# Altium PCB Placa Pot mosfet planar V3.PcbDoc (part 2 of 2)
Units mm, origin at the board's own origin, x right, y up, seen from the top; angles counter-clockwise.
Board outline 160 x 100 mm, 4 copper layers (TopLayer, GND, Power, BottomLayer), stack 1.582 mm thick; 144 components, 68 nets, 657 pads, 79 vias.
Unrouted connection lines stored in the file: 1.
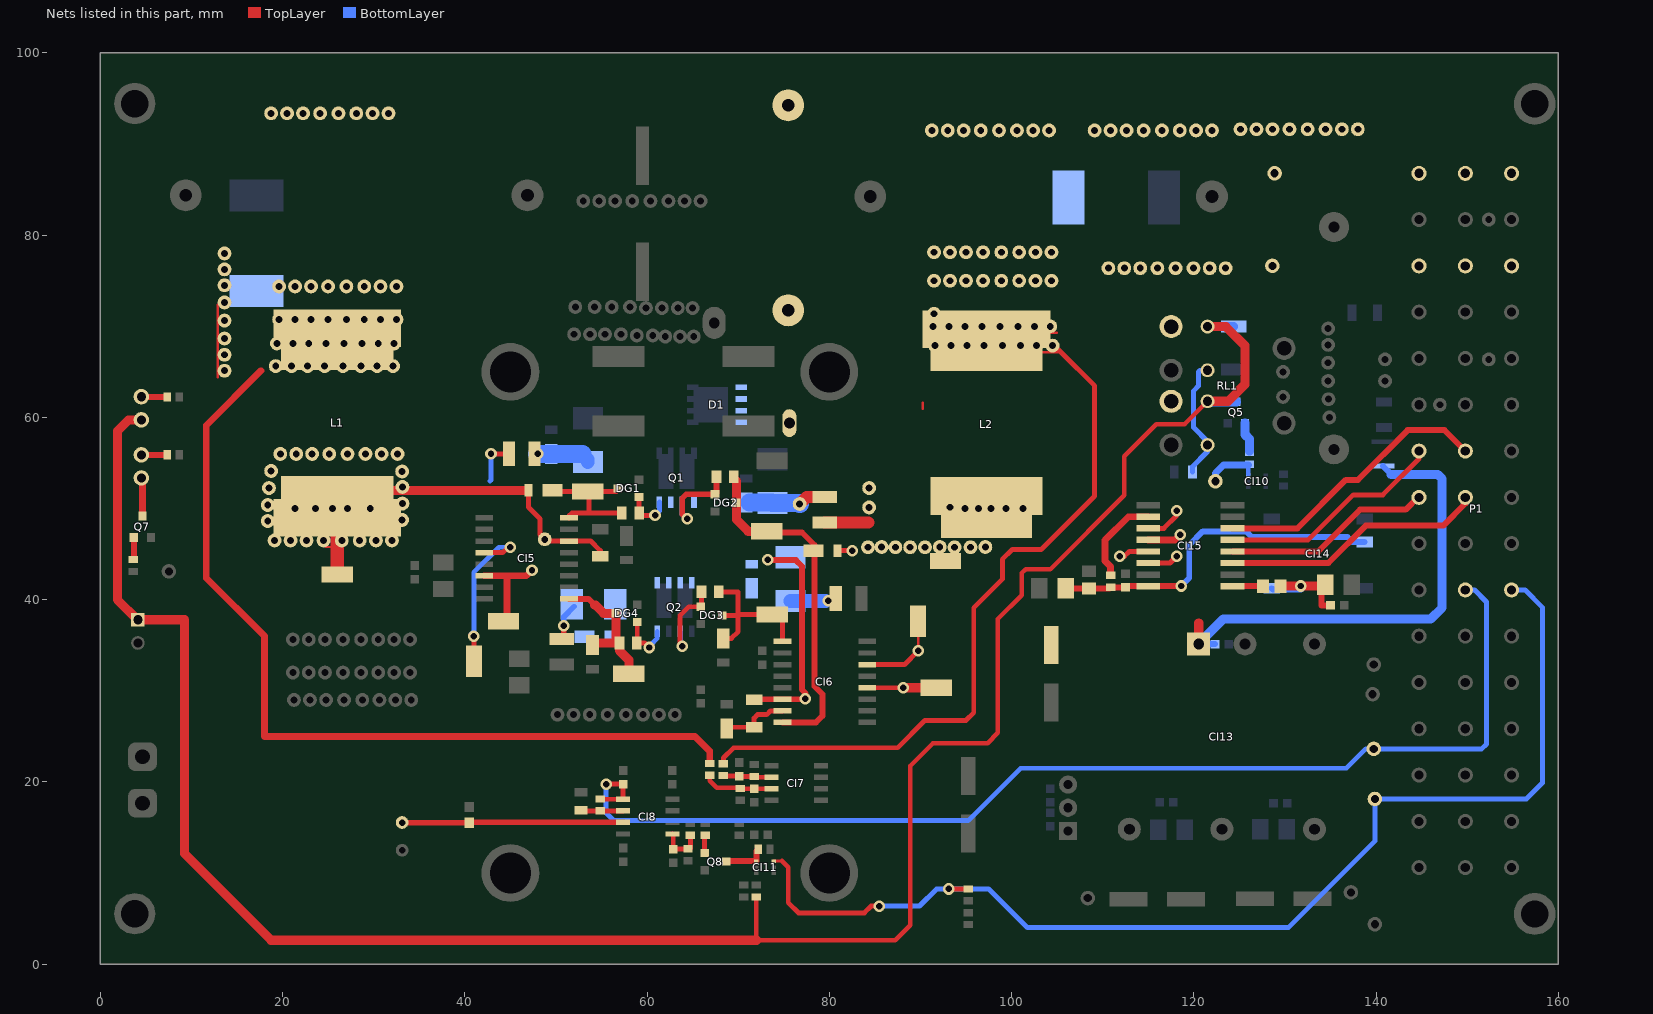
[diagram p4: the nets of this part, all layers, seen from the top]

## Via types
v1: diameter 1.27, hole 0.711, TopLayer to BottomLayer, 79 vias

## Nets (pads, with @x,y where several pads share a name; then routed paths per layer and width w, separated by ;. In a path a pad name is that pad's centre, name@x,y a point inside that pad or via, vN(x,y) a via of type N, cw(c..) or ccw(c..) an arc to the next point about the centre after c; other vN are vias at no path point) (continued)
NetC12_2: C12.2 CI5.6 CQ1.1 DGZ1.1 DQ4.1 L1.1 pad.3 pad.42 pad.43 pad.44 pad.45 pad.46 pad.47 pad.48 pad.49 pad.50 pad.51 pad.52 pad.53 pad.54 pad.55@19.75,56 pad.55@19.125,46.5 pad.56@20.875,46.5 pad.56@21.5,56 pad.57@22.625,46.5 pad.57@23.25,56 pad.58@24.5,46.5 pad.58@25.125,56 pad.59@26.5,46.5 pad.59@27.125,56 pad.60@28.465,46.5 pad.60@29.09,56 pad.61@30.25,46.5 pad.61@30.875,56 pad.62@32,46.5 pad.62@32.625,56 PTS1.1 Q1.3 Q2.5 Q2.6 RQ4.2 | length 46.8
  TopLayer w0.254: 24.75,45.776 26,45.776
  TopLayer w0.54: L1.1@26,51.5 L1.1@26.5,52 ; v1(42.875,56) CQ1.1@44.85,56 ; DGZ1.1@46.985,51.89 46.985,50.14 48.25,48.875 48.25,47.15 pad.3@48.775,46.625 48.965,46.435 CI5.6@51.425,46.435 53.815,46.435 54.875,45.375 C12.2@54.875,44.75
  TopLayer w1: L1.1@26.5,52 DGZ1.1@46.875,52
  TopLayer w1.5: PTS1.1@26,42.75 26,45.776 L1.1@26,48.988
  BottomLayer w0.54: 42.75,53 42.875,53.125 v1(42.875,56)
NetC14_1: C14.1 CI6.6 CQ2.1 DGZ2.1 DQ3.1 L2.1 pad.24 pad.25 pad.27 pad.28 pad.29 pad.30 pad.31 pad.32 pad.33 pad.34 pad.35 pad.36 pad.37 pad.38 pad.39 pad.40 pad.41 PTS2.1 Q1.1 Q2.7 Q2.8 RQ3.2 | length 31.5
  TopLayer w0.54: C14.1@71.75,29 C14.1@71.815,29.065 ; DGZ2.1@80.89,45.375 v1(82.5,45.375) ; 84.275,48.475 84.5,48.25
  TopLayer w0.64: C14.1@71.815,29.065 CI6.6@74.875,29.065 77.525,29.065 77.42,29.17 77.42,29.705 77,30.125 77,43.665 76.33,44.335 v1@73.059,44.335
  TopLayer w1.35: CQ2.1@79.5,48.475 84.275,48.475
  other v1: 77.375,29.125 73.25,44.375
NetC14_2: C14.2 CI6.7 D7.2 | length 7.5
  TopLayer w0.54: D7.2@68.75,25.875 68.875,26 C14.2@71.75,26 71.75,27 72.125,27.375 73.125,27.375 73.545,27.795 CI6.7@74.875,27.795
NetC22_2: C22.2 CI7.2 R24.2 R26.1 | length 5.3
  TopLayer w0.54: R24.2@68.375,20.625 C22.2@70.125,20.625 70.375,20.625 70.4,20.6 R26.1@71.75,20.6 71.84,20.51 CI7.2@73.675,20.51
NetC24_1: C24.1 CI7.3 R28.2 R30.1 | length 7.8
  TopLayer w0.5: R28.2@66.875,20.725 66.875,20.125 67.645,19.355 70.42,19.355 70.525,19.25 C24.1@71.75,19.25 71.76,19.24 CI7.3@73.675,19.24
NetC25_1: C25.1 CI8.5 R31.2 R32.1 | length 4.8
  TopLayer w0.54: CI8.5@62.775,14.284 62.875,14.184 C25.1@62.875,12.625 62.9,12.65 R32.1@64.5,12.65 ; R32.1@64.75,12.668 R31.2@64.75,14.143
NetC35_1: C35.1 CI8.1 P1.C20 PT17.1 R33.1 | length 128.3
  TopLayer w0.54: R33.1@54.875,18.125 54.906,18.094 CI8.1@57.375,18.094 C35.1@57.375,19.75 v1(55.5,19.75) ; P1.C20@149.799,40.924 P1.C20@149.799,41.071
  BottomLayer w0.54: v1(55.5,19.75) 55.5,16.625 56.375,15.75 84.888,15.75 84.918,15.78 86.082,15.78 86.112,15.75 95.25,15.75 101,21.5 136.75,21.5 138.875,23.625 PT17.1@139.75,23.625 151.603,23.625 152.125,24.147 152.125,39.75 150.804,41.071 P1.C20@149.799,41.071
NetC38_1: C38.1 C39.1 CI13.1 L3.2 | length 53.5
  TopLayer w1: CI13.1@120.545,35.125 120.545,37.42
  BottomLayer w0.65: CI13.1@120.545,35.125 C38.1@122.335,35.125 ; L3.2@140.75,54.675 141.675,53.75
  BottomLayer w1: CI13.1@120.625,35.25 123.25,37.875 146,37.875 147.25,39.125 147.25,53.25 146.75,53.75 141.675,53.75
NetC48_1: C48.1 C49.1 CI14.2 CI15.16 L4.2 R8.1 | length 38
  TopLayer w0.65: C49.1@105.95,41.225 L4.2@108.5,41.225 110.725,41.225 R8.1@110.875,41.375 110.895,41.355 C48.1@112.5,41.355 112.625,41.48 CI15.16@115,41.48 115.02,41.5 v1(118.625,41.5)
  BottomLayer w0.65: v1(118.625,41.5) 119.5,42.375 119.5,46 121,47.5 125.75,47.5 126.375,46.875 136.875,46.875 137.42,46.33 CI14.2@138.75,46.33
NetC50_1: C50.1 C51.1 CI14.5 L5.1 | length 12.2
  TopLayer w0.65: C51.1@134.465,41.48 134,41.015 134,39.375 C50.1@135,39.375
  TopLayer w1: L5.1@129.5,41.48 134.425,41.48 C51.1@134.465,41.48
  BottomLayer w0.65: CI14.5@128.55,41.25 128.675,41.125 131.75,41.125 v1(131.75,41.5) v1@132,41.25
NetCI5_1: CI5.1 DG4.3 DGZ4.2 PTG4.1 RG4.1 | length 16.1
  TopLayer w0.65: CI5.1@51.425,40.085 53.575,40.085 54.235,39.425
  TopLayer w1: DGZ4.2@54,35.015 54.235,35.25 RG4.1@56.975,35.25 ; 54.235,39.425 54.325,39.425 55.25,38.5 DG4.3@56.575,38.5 56.575,35.65 RG4.1@56.975,35.25 ; PTG4.1@58,31.875 58,33.375 56.975,34.4 RG4.1@56.975,35.25
NetCI5_8: CI5.8 DG1.3 DGZ1.2 PTG1.1 RG1.1 | length 16
  TopLayer w0.54: DGZ1.2@49.625,52 49.75,51.875 PTG1.1@53.5,51.875 ; CI5.8@51.425,48.975 51.425,49.175 51.75,49.5 53.625,49.5 ; DG1.3@56.775,52.2 56.775,52.025 56.625,51.875 PTG1.1@53.5,51.875 ; RG1.1@57.225,49.5 53.625,49.5 ; PTG1.1@53.5,51.875 53.625,51.75 53.625,49.5
NetCI5_12: CI5.12 CI15.11 PWM1.1 | length 22.5
  TopLayer w0.254: v1@44.75,45.75 v1(45,45.75)
  TopLayer w0.54: v1@40.625,36.125 41,35.75 PWM1.1@41,33.25 ; CI5.12@42.125,45.165 44.165,45.165 v1@44.75,45.75 ; CI15.11@115,47.83 116.717,47.83 118.125,49.238 v1(118.125,49.75)
  BottomLayer w0.54: v1@40.625,36.125 41,36.5 41,43 43.75,45.75 v1(45,45.75)
  other v1: 41,35.991
NetCI5_14: CI5.14 CI15.12 PWM4.1 | length 14.4
  TopLayer w0.75: CI5.14@42.125,42.625 44.625,42.625 ; PWM4.1@44.25,37.625 44.625,38 44.625,42.625 ; v1(47.375,43.25) 46.75,42.625 44.625,42.625 ; CI15.12@115,46.56 117.935,46.56 v1(118.5,47.125)
NetCI6_1: CI6.1 DG3.3 DGZ3.2 PTG3.1 RG3.1 | length 18
  TopLayer w0.54: RG3.1@67.875,40.875 67.93,40.82 70,40.82 70,38.375 ; DG3.3@68.25,38.275 69.893,38.275 ; DGZ3.2@68.375,35.75 69.259,35.75 70,36.491 70,38.167 69.893,38.275 ; CI6.1@74.875,35.415 74.875,38.375 PTG3.1@73.75,38.375 70,38.375 ; 69.893,38.275 69.993,38.375 70,38.375
NetCI6_8: CI6.8 DG2.3 DGZ2.2 PTG2.1 RG2.1 | length 38
  TopLayer w0.54: DG2.3@69.8,50.625 DG2.3@69.893,50.717
  TopLayer w0.64: PTG2.1@73.25,47.375 77,47.375 78.375,46 78.375,30.5 79.25,29.625 79.25,27.25 78.525,26.525 CI6.8@74.875,26.525
  TopLayer w1: RG2.1@69.533,53.283 RG2.1@69.768,53.048 ; RG2.1@69.8,53.04 DG2.3@69.8,50.625 69.8,48.81 71.11,47.5 PTG2.1@73.125,47.5
NetCI6_12: CI6.12 CI15.14 PWM2.1 | length 11
  TopLayer w0.54: CI6.12@84.175,30.335 v1(88.125,30.335) v1@88.25,30.335 ; CI15.14@115,44.02 117.395,44.02 v1(118.125,44.75)
  TopLayer w1: v1@88.25,30.335 PWM2.1@91.75,30.335
NetCI6_14: CI6.14 CI15.13 PWM3.1 | length 12.8
  TopLayer w0.254: v1(89.75,34.375) PWM3.1@89.75,37.625
  TopLayer w0.54: CI6.14@84.175,32.875 88.25,32.875 v1(89.75,34.375) ; v1(111.875,44.75) 112.375,44.75 112.915,45.29 CI15.13@115,45.29
NetCI8_2: CI8.2 R33.2 R34.1 | length 4.6
  TopLayer w0.54: R34.1@52.75,16.875 52.8,16.825 R33.2@54.875,16.825 ; R33.2@54.875,16.825 CI8.2@57.375,16.824
NetCI8_3: CI8.3 Pt100.1 R43.2 | length 24.3
  TopLayer w0.61: Pt100.1@33.125,15.54 40.5,15.544 CI8.3@57.375,15.554
NetCI10_6: CI10.6 PT3.1 R7.2 | length 5.9
  BottomLayer w0.5: CI10.6@126,53.775 R7.2@126,54.775
  BottomLayer w0.75: PT3.1@122.375,53 122.375,53.875 123.275,54.775 R7.2@126,54.775
NetCI11_1: CI11.1 Q8.3 R35.2 | length 4.8
  TopLayer w0.65: Q8.3@68.675,11.25 68.725,11.3 CI11.1@72,11.3 72,12.425 R35.2@72.2,12.625
NetCI11_6: CI11.6 P1.A20 PT18.1 R42.2 | length 126.7
  TopLayer w0.34: CI11.6@73.9,11.3 74.825,11.3
  TopLayer w0.54: 74.825,11.3 75.5,10.625 75.5,6.75 76.625,5.625 83.85,5.625 84.6,6.375 v1(85.5,6.375) ; v1(93.125,8.25) R42.2@95.25,8.25
  BottomLayer w0.54: v1(85.5,6.375) 89.9,6.375 91.775,8.25 v1(93.125,8.25) 97.5,8.25 101.75,4 130.375,4 139.875,13.5 PT18.1@139.875,18.125 156.5,18.125 158.25,19.875 158.25,39.169 156.348,41.071 P1.A20@154.879,41.071
NetCI15_1: CI15.1 L5.2 | length 3.4
  TopLayer w0.65: CI15.1@124.25,41.48 L5.2@127.6,41.48
NetCI15_3: CI15.3 P1.C16 | length 28.9
  TopLayer w0.65: CI15.3@124.25,44.02 134.77,44.02 138.875,48.125 147.375,48.125 149.799,50.549 P1.C16@149.799,51.231
NetCI15_4: CI15.4 P1.E16 | length 22.9
  TopLayer w0.65: CI15.4@124.25,45.29 133.665,45.29 138.25,49.875 143.25,49.875 144.606,51.231 P1.E16@144.719,51.231
NetCI15_5: CI15.5 P1.E14 | length 25
  TopLayer w0.54: CI15.5@124.25,46.56 132.56,46.56 137.5,51.5 140.75,51.5 144.719,55.469 P1.E14@144.719,56.311
NetCI15_6: CI15.6 P1.C14 | length 31
  TopLayer w0.65: CI15.6@124.25,47.83 131.375,47.83 136.695,53.15 138.025,53.15 143.475,58.6 147.51,58.6 P1.C14@149.799,56.311
NetCI15_10: CI15.10 R8.2 | length 9.9
  TopLayer w0.75: R8.2@110.875,42.675 110.875,43.625 110.25,44.25 110.25,46.525 112.825,49.1 CI15.10@115,49.1
NetCQ1_2: CQ1.2 DQ1.2 RQ1.1 | length 6.2
  BottomLayer w0.627: v1@47.921,56 v1(48,56)
  BottomLayer w1.5: RQ1.1@52.886,56 53.5,55.386 RQ1.1@53.5,55.1
  BottomLayer w2: v1@47.92,56 DQ1.2@49.5,56 RQ1.1@52.886,56
NetCQ2_2: CQ2.2 DQ2.2 pad.66 RQ2.1 | length 8.6
  TopLayer w1.35: pad.66@76.75,50.5 77.525,51.275 CQ2.2@79.5,51.275
  BottomLayer w2: DQ2.2@71.25,50.65 73.7,50.65 RQ2.1@73.75,50.6 76.65,50.6 pad.66@76.75,50.5
NetCQ3_2: CQ3.2 DQ3.2 RQ3.1 | length 3.9
  BottomLayer w0.54: v1@79.6,39.85 v1@79.625,39.875
  BottomLayer w1.5: RQ3.1@75.75,39.85 v1@79.6,39.85
  other v1: 79.875,39.875
NetCQ4_2: CQ4.2 DQ4.2 RQ4.1 | length 4.1
  TopLayer w0.6: CQ4.2@50.625,35.675 50.875,35.925 v1(50.875,37.125)
  BottomLayer w0.6: v1(50.875,37.125) 50.875,38.125 RQ4.1@52,39.25
NetD1_2: D1.2 pad.67 RL1.3 RL1.8
NetD2_1: D2.1 D3.1 J1.1 Q5.3 R45.1 RL1.2 RL1.7 | length 242.7
  TopLayer w0.5: R45.1@72,7.375 72,2.625 87.25,2.625 88.875,4.25 88.875,21.75 91.375,24.25 97.375,24.25 98.5,25.375 98.5,37.875 101.125,40.5 101.125,42.925 101.555,43.355 104.271,43.355 112.375,51.459 112.375,55.75 115.875,59.25 118.989,59.25 RL1.7@121.511,61.772
  TopLayer w1: D3.1@4.5,59.73 3.105,59.73 1.875,58.5 1.875,40 4.085,37.79 J1.1@4.125,37.79 9.25,37.79 9.25,12.125 18.75,2.625 72,2.625 ; RL1.7@121.511,61.772 123.772,61.772 125.625,63.625 125.625,67.875 123.528,69.972 RL1.2@121.511,69.972
  BottomLayer w1: RL1.7@121.511,61.772 121.558,61.725 Q5.3@124.675,61.725 ; RL1.2@121.511,69.972 121.514,69.975 D2.1@124.375,69.975
NetD3_2: D3.2 R3.2 | length 2.9
  TopLayer w0.65: D3.2@4.5,62.27 4.52,62.25 R3.2@7.35,62.25
NetD8_1: D8.1 Q7.3 | length 4.2
  TopLayer w0.75: D8.1@4.5,53.355 4.625,53.23 Q7.3@4.625,49.175
NetD8_2: D8.2 R16.1 | length 2.8
  TopLayer w0.65: D8.2@4.5,55.895 R16.1@7.35,55.895
NetDG1_1: DG1.1 Q1.4 RG1.2 | length 5.6
  TopLayer w0.54: DG1.1@59.125,51.25 RG1.2@59.125,49.5 59.35,49.5 59.6,49.25 v1(60.875,49.25) v1@61.25,49.25
  BottomLayer w0.54: v1(60.875,49.25) 61.345,49.72 Q1.4@61.345,50.705
NetDG2_1: DG2.1 Q1.2 RG2.2 | length 10.3
  TopLayer w0.61: v1@64.375,48.87 63.885,49.36 63.885,51.135 64.325,51.575 DG2.1@67.45,51.575 67.625,51.75 RG2.2@67.625,53.5
  BottomLayer w0.61: Q1.2@63.885,50.705 63.885,49.39 v1(64.4,48.875)
NetDG3_1: DG3.1 Q2.2 RG3.2 | length 9.6
  TopLayer w0.54: v1(63.885,34.875) 63.625,35.135 63.625,38.275 64.575,39.225 DG3.1@65.9,39.225 65.975,39.3 RG3.2@65.975,40.875
  BottomLayer w0.54: Q2.2@63.66,36.515 63.66,35.25 63.885,35.025 v1(63.885,34.875)
NetDG4_1: DG4.1 Q2.4 RG4.2 | length 6.5
  TopLayer w0.54: DG4.1@58.925,37.55 58.925,35.3 RG4.2@58.875,35.25 59.75,35.25 v1(60.25,34.75) v1@60.625,34.75
  BottomLayer w0.54: v1@60.625,34.75 60.373,35.002 61.12,35.75 Q2.4@61.12,36.515
NetQ5_1: Q5.1 R7.1 | length 3.3
  BottomLayer w1: Q5.1@125.625,59.375 125.625,58.125 126.125,57.625 R7.1@126.125,56.311
NetQ7_1: Q7.1 R17.2 | length 2.4
  TopLayer w0.65: R17.2@3.625,44.4 3.675,44.45 Q7.1@3.675,46.825
NetQ8_1: Q8.1 R37.2 | length 2
  TopLayer w0.254: R37.2@66.325,14.093 R37.2@66.375,14.143
  TopLayer w0.54: Q8.1@66.325,12.2 R37.2@66.325,14.093
NetR2_2: R2.2 RL1.5 RL1.10 | length 13.6
  BottomLayer w0.54: R2.2@119.855,54 119.855,54.605 121.511,56.261 RL1.10@121.511,56.972 121.511,57.364 119.979,58.896 119.979,62.928 120.5,63.449 120.5,65 120.672,65.172 RL1.5@121.511,65.172
"SAIDA  NEGATIVA": C6.1 L2.2 NEGATIVO.1 P1.A6 P1.C6 P1.E6 pad.55@91.5,75 pad.55@91.5,78.125 pad.55@91.375,70 pad.55@91.625,67.875 pad.55@110.625,76.375 pad.56@93.25,75 pad.56@93.25,78.125 pad.56@93.125,70 pad.56@93.375,67.875 pad.56@112.375,76.375 pad.57@94.875,70 pad.57@95,75 pad.57@95,78.125 pad.57@95.125,67.875 pad.57@114.125,76.375 pad.58@96.75,70 pad.58@96.875,75 pad.58@96.875,78.125 pad.58@97,67.875 pad.58@116,76.375 pad.59@98.75,70 pad.59@98.875,75 pad.59@98.875,78.125 pad.59@99,67.875 pad.59@118,76.375 pad.60@100.84,75 pad.60@100.84,78.125 pad.60@100.715,70 pad.60@100.965,67.875 pad.60@119.965,76.375 pad.61@102.5,70 pad.61@102.75,67.875 pad.61@102.625,75 pad.61@102.625,78.125 pad.61@121.75,76.375 pad.62@104.5,67.875 pad.62@104.25,70 pad.62@104.375,75 pad.62@104.375,78.125 pad.62@123.5,76.375 pad.63 R11.2 R24.1 | length 101.8
  TopLayer w0.254: 90.25,60.924 90.25,61.625 ; L2.2@97,69.276 104.974,69.276 ; L2.2@97.25,67.151 105.224,67.151 109.125,63.25
  TopLayer w0.54: R24.1@68.375,22.125 68.375,22.625 69.5,23.75 87.5,23.75 90.5,26.75 95,26.75 95.85,27.6 95.85,39.1 99,42.25 99,44.415 100.085,45.5 103.25,45.5 109.125,51.375 109.125,63.25 109.125,63.465 pad.62@104.625,67.965
"SAIDA  POSITIVA": C6.2 L1.2 P1.A2 P1.C2 P1.E2 pad.55@13.625,78 pad.55@18.75,93.375 pad.55@19.25,65.625 pad.55@19.375,68.125 pad.55@19.625,70.75 pad.55@19.625,74.375 pad.55@91.25,91.5 pad.55@109.125,91.5 pad.55@125.125,91.625 pad.56@13.625,76.25 pad.56@20.5,93.375 pad.56@21,65.625 pad.56@21.125,68.125 pad.56@21.375,70.75 pad.56@21.375,74.375 pad.56@93,91.5 pad.56@110.875,91.5 pad.56@126.875,91.625 pad.57@13.625,74.5 pad.57@22.25,93.375 pad.57@22.75,65.625 pad.57@22.875,68.125 pad.57@23.125,70.75 pad.57@23.125,74.375 pad.57@94.75,91.5 pad.57@112.625,91.5 pad.57@128.625,91.625 pad.58@13.625,72.625 pad.58@24.75,68.125 pad.58@24.125,93.375 pad.58@24.625,65.625 pad.58@25,70.75 pad.58@25,74.375 pad.58@96.625,91.5 pad.58@114.5,91.5 pad.58@130.5,91.625 pad.59@13.625,70.625 pad.59@26.75,68.125 pad.59@26.125,93.375 pad.59@26.625,65.625 pad.59@27,70.75 pad.59@27,74.375 pad.59@98.625,91.5 pad.59@116.5,91.5 pad.59@132.5,91.625 pad.60@13.625,68.66 pad.60@28.09,93.375 pad.60@28.59,65.625 pad.60@28.715,68.125 pad.60@28.965,70.75 pad.60@28.965,74.375 pad.60@100.59,91.5 pad.60@118.465,91.5 pad.60@134.465,91.625 pad.61@13.625,66.875 pad.61@29.875,93.375 pad.61@30.5,68.125 pad.61@30.75,70.75 pad.61@30.75,74.375 pad.61@30.375,65.625 pad.61@102.375,91.5 pad.61@120.25,91.5 pad.61@136.25,91.625 pad.62@13.625,65.125 pad.62@31.625,93.375 pad.62@32.5,70.75 pad.62@32.5,74.375 pad.62@32.25,68.125 pad.62@32.125,65.625 pad.62@104.125,91.5 pad.62@122,91.5 pad.62@138,91.625 POSITIVO.1 R6.1 R28.1 | length 104.1
  TopLayer w0.254: 12.901,64.401 12.901,72.375
  TopLayer w0.75: 17.625,65.125 11.625,59.125 11.625,42.375 18,36 18,25 65.25,25 66.875,23.375 R28.1@66.875,22.025
pads on no net: CI5.4 CI5.5 CI5.9 CI5.10 CI5.16 CI6.4 CI6.5 CI6.9 CI6.10 CI6.16 CI7.8 CI10.4 CI14.8 CI15.7 DG1.2 DG2.2 DG3.2 DG4.2 P1.A12 P1.A14 P1.A16 P1.A18 P1.A22 P1.A26 P1.A28 P1.A30 P1.A32 P1.C12 P1.C22 P1.C24 P1.C26 P1.C28 P1.C30 P1.C32 P1.E10 P1.E18 P1.E24 P1.E26 P1.E28 P1.E30 P1.E32 Pad1.1 Pad2.1 Pad3.1 Pad4.1 Q1.D1 Q1.D2 Q2.D1 Q2.D2 RL1.4 RL1.9
copper on no net: | length 1041.9
  TopLayer w0.2: 0,0 160.25,0 160.25,100.125 0,100.125 0,0
  TopLayer w0.65: 144.276,46.151 144.719,46.151
  BottomLayer w0.2: 0,0 160.25,0 160.25,100.125 0,100.125 0,92.625 0,0

## Polygon pours and split planes (outlines as drawn)
no net on Power (split plane): 159.248,92.442 159.169,92.465 159.003,92.493 158.834,92.502 153.877,92.502 153.877,96.5 153.877,98.875 153.87,98.998 159.248,98.998
no net on Power (split plane): 159.248,64.127 133.169,64.127 133.169,72.998 159.248,72.998
no net on Power (split plane): 131.164,63.625 131.173,63.494 131.198,63.366 131.241,63.241 131.298,63.124 131.371,63.015 131.458,62.916 131.498,62.881 131.498,54.627 129.127,54.627 129.127,56 129.118,56.098 129.089,56.192 129.043,56.279 128.98,56.355 128.912,56.412 128.855,56.48 128.779,56.543 128.692,56.589 128.598,56.618 128.5,56.627 114.123,56.627 114.127,56.668 114.127,60.055 114.173,60.124 114.231,60.241 114.273,60.366 114.299,60.494 114.307,60.625 114.299,60.756 114.273,60.884 114.231,61.009 114.173,61.126 114.127,61.195 114.127,69.705 114.141,69.721 114.187,69.808 114.216,69.902 114.225,70 114.225,72.998 131.164,72.998
no net on Power (split plane): 86.998,50.713 86.23,51.48 86.154,51.543 86.067,51.589 85.973,51.618 85.875,51.627 75.002,51.627 75.002,59.623 86.998,59.623
no net on Power (split plane): 159.248,48.502 129.127,48.502 129.127,53.623 132,53.623 132.098,53.632 132.192,53.661 132.279,53.707 132.355,53.77 132.418,53.846 132.464,53.933 132.493,54.027 132.502,54.125 132.502,62.683 132.55,62.699 132.667,62.757 132.776,62.83 132.875,62.916 132.961,63.015 133.033,63.123 159.248,63.123
no net on Power (split plane): 159.248,1.002 139.752,1.002 139.752,21.375 139.743,21.473 139.714,21.567 139.668,21.654 139.605,21.73 139.529,21.793 139.442,21.839 139.348,21.868 139.25,21.877 129.127,21.877 129.127,47.498 159.248,47.498
no net on Power (split plane): 113.123,56.668 113.132,56.57 113.161,56.475 113.201,56.401 113.145,56.355 113.082,56.279 113.036,56.192 113.007,56.098 112.998,56 112.998,48.377 89.462,48.377 88.545,49.295 88.469,49.357 88.382,49.404 88.287,49.432 88.277,49.433 88.002,49.708 88.002,59.623 113.123,59.623
"SAIDA  POSITIVA" on Power (split plane): 150.873,96.5 150.873,91.253 150.882,91.084 150.91,90.918 150.957,90.756 151.021,90.601 151.103,90.453 151.2,90.316 151.313,90.19 151.438,90.078 151.447,90.072 151.453,90.063 151.565,89.938 151.691,89.825 151.828,89.728 151.976,89.646 152.131,89.582 152.293,89.535 152.459,89.507 152.628,89.498 158.834,89.498 159.003,89.507 159.169,89.535 159.248,89.558 159.248,83.806 159.233,83.792 159.205,83.75 159.196,83.7 159.205,83.65 159.233,83.608 159.248,83.599 159.248,80.752 133.415,80.752 132.584,81.584 132.485,81.67 132.376,81.743 132.259,81.801 132.134,81.843 132.006,81.869 131.875,81.877 130.452,81.877 130.418,81.996 130.354,82.152 130.272,82.299 130.175,82.437 130.062,82.562 129.937,82.675 129.799,82.772 129.652,82.854 129.496,82.918 129.334,82.965 129.168,82.993 129,83.002 72,83.002 71.832,82.993 71.666,82.965 71.504,82.918 71.348,82.854 71.201,82.772 71.063,82.675 70.938,82.562 64.503,76.127 43.625,76.127 43.457,76.118 43.291,76.09 43.129,76.043 42.973,75.979 42.826,75.897 42.688,75.8 42.563,75.687 42.45,75.562 42.353,75.424 42.271,75.277 42.257,75.243 42.223,75.229 42.076,75.147 41.938,75.05 41.813,74.937 41.7,74.812 41.603,74.674 41.521,74.527 41.457,74.371 41.41,74.209 41.382,74.043 41.373,73.875 41.373,69.183 41.38,69.047 39.049,66.716 39.041,66.715 38.879,66.668 38.723,66.604 38.576,66.522 38.438,66.425 38.313,66.312 37.753,65.752 18.254,65.752 18.245,65.8 18.217,65.842 18.175,65.87 18.125,65.879 3.377,65.879 3.377,97.373 150.873,97.373
"SAIDA  NEGATIVA" on Power (split plane): 129.241,79.949 129.366,79.907 129.494,79.881 129.625,79.873 131.46,79.873 132.291,79.041 132.39,78.955 132.499,78.882 132.616,78.824 132.741,78.782 132.869,78.756 133,78.748 159.248,78.748 159.248,74.002 132.648,74.002 132.55,74.051 132.426,74.093 132.297,74.119 132.166,74.127 132.036,74.119 131.907,74.093 131.783,74.051 131.685,74.002 113.723,74.002 113.625,73.993 113.531,73.964 113.444,73.918 113.368,73.855 113.305,73.779 113.259,73.692 113.23,73.598 113.221,73.5 113.221,70.42 113.207,70.404 113.161,70.317 113.132,70.223 113.123,70.125 113.123,61.627 75.002,61.627 75.002,67.401 74.994,67.532 74.968,67.66 74.926,67.784 74.868,67.902 74.795,68.011 74.709,68.109 70.373,72.445 70.373,77.749 72.622,79.998 129,79.998 129.129,80.005
no net on Power (split plane): 68.369,72.03 68.378,71.899 68.403,71.77 68.445,71.646 68.503,71.529 68.576,71.42 68.663,71.321 72.998,66.986 72.998,61.284 72.955,61.235 72.882,61.126 72.824,61.009 72.782,60.884 72.756,60.756 72.748,60.625 72.756,60.494 72.782,60.366 72.824,60.241 72.882,60.124 72.955,60.015 72.998,59.966 72.998,52.256 69.371,52.256 69.24,52.247 69.112,52.222 68.988,52.18 68.87,52.122 68.761,52.049 68.663,51.962 68.576,51.864 68.503,51.755 68.445,51.637 68.442,51.627 42.212,51.627 42.114,51.618 42.02,51.589 41.933,51.543 41.857,51.48 40.637,50.261 37.83,47.454 37.117,46.741 36.002,46.741 36.002,62.748 38.375,62.748 38.543,62.757 38.709,62.785 38.871,62.832 39.027,62.896 39.174,62.978 39.312,63.075 39.437,63.188 40.437,64.188 40.55,64.313 40.647,64.451 40.729,64.598 40.793,64.754 40.84,64.916 40.868,65.082 40.877,65.25 40.868,65.418 40.84,65.584 40.82,65.653 42.849,67.682 42.875,67.68 43.043,67.69 43.209,67.718 43.27,67.735 43.286,67.683 43.332,67.596 43.395,67.52 46.27,64.645 46.346,64.582 46.433,64.536 46.527,64.507 46.625,64.498 46.723,64.507 46.817,64.536 46.904,64.582 46.98,64.645 47.043,64.721 47.089,64.808 47.118,64.902 47.127,65 47.118,65.098 47.089,65.192 47.043,65.279 46.98,65.355 44.252,68.083 44.252,68.588 44.293,68.687 44.34,68.848 44.368,69.015 44.377,69.183 44.377,73.123 65.125,73.123 65.293,73.132 65.459,73.16 65.621,73.207 65.777,73.271 65.924,73.353 66.062,73.45 66.187,73.563 68.369,75.744
no net on Power (split plane): 33.998,46.741 18.627,46.741 18.627,58.77 18.668,58.819 18.714,58.906 18.743,59 18.752,59.098 18.752,62.748 33.998,62.748
+15V on Power (split plane): 197 vertices, not listed, extent 0.752,2.752 128.123,63.123
-15V on Power (split plane): 138.748,1.002 43.608,1.002 43.608,1.234 43.618,1.249 43.676,1.366 43.718,1.491 43.744,1.619 43.752,1.75 43.744,1.881 43.718,2.009 43.676,2.134 43.618,2.251 43.608,2.266 43.608,2.27 43.598,2.368 43.569,2.462 43.523,2.549 43.502,2.574 43.502,15.498 60.825,15.498 60.87,15.473 60.964,15.445 61.063,15.435 61.161,15.445 61.255,15.473 61.3,15.498 67.625,15.498 67.723,15.507 67.817,15.536 67.904,15.582 67.98,15.645 69.105,16.77 69.168,16.846 69.214,16.933 69.243,17.027 69.252,17.125 69.252,18.123 79.042,18.123 83.77,13.395 90.395,6.77 90.471,6.707 90.558,6.661 90.652,6.632 90.75,6.623 97.417,6.623 99.493,4.547 99.569,4.484 99.656,4.438 99.75,4.409 99.848,4.4 114.214,4.4 114.313,4.409 114.407,4.438 114.494,4.484 114.51,4.498 120.625,4.498 120.723,4.507 120.817,4.536 120.904,4.582 120.98,4.645 121.043,4.721 121.089,4.808 121.118,4.902 121.127,5 121.127,17.292 123.458,19.623 127.875,19.623 127.973,19.632 128.067,19.661 128.154,19.707 128.23,19.77 128.98,20.52 129.043,20.596 129.089,20.683 129.118,20.777 129.127,20.873 138.748,20.873
+5V on Power (split plane): 86.998,49.292 86.998,48.875 87.007,48.777 87.036,48.683 87.082,48.596 87.145,48.52 87.221,48.457 87.308,48.411 87.402,48.382 87.5,48.373 88.046,48.373 88.877,47.541 88.895,47.52 88.916,47.502 94.653,41.765 94.661,41.74 94.707,41.654 94.77,41.577 94.846,41.515 94.933,41.469 95.027,41.44 95.125,41.43 105.359,41.43 110.77,36.02 110.846,35.957 110.933,35.911 111.027,35.882 111.125,35.873 117.292,35.873 117.473,35.692 117.473,24.752 109.375,24.752 109.277,24.743 109.183,24.714 109.096,24.668 109.02,24.605 108.957,24.529 108.911,24.442 108.882,24.348 108.873,24.25 108.879,24.187 108.873,24.125 108.873,17.752 90.708,17.752 81.752,26.708 81.752,42.375 81.743,42.473 81.714,42.567 81.668,42.654 81.605,42.73 79.98,44.355 79.904,44.418 79.817,44.464 79.723,44.493 79.625,44.502 51.557,44.502 51.543,44.529 51.48,44.605 51.293,44.793 51.217,44.855 51.13,44.902 51.064,44.922 51.036,44.93 50.938,44.94 50.839,44.93 50.745,44.902 50.699,44.877 50.658,44.855 50.582,44.793 50.542,44.752 40.333,44.752 38.687,46.398 38.687,46.89 42.42,50.623 68.595,50.623 68.663,50.545 68.761,50.459 68.87,50.386 68.988,50.328 69.112,50.286 69.24,50.26 69.371,50.252 74,50.252 74.131,50.26 74.259,50.286 74.384,50.328 74.501,50.386 74.61,50.459 74.709,50.545 74.777,50.623 85.667,50.623
NetCI6_12 on GND (split plane): 119.682,45.568 119.639,45.511 119.612,45.445 119.603,45.375 119.603,42.055 119.603,40.738 117.155,38.291 115.682,36.818 114.637,35.772 101.308,35.772 101.237,35.763 101.172,35.736 101.115,35.693 94.57,29.147 82.113,29.147 82.022,29.238 82.022,32.103 91.022,32.103 91.093,32.112 91.158,32.139 91.215,32.182 93.318,34.285 98.01,38.978 111.304,38.978 111.338,38.982 111.372,38.986 111.373,38.987 111.375,38.987 111.406,39 111.438,39.013 111.439,39.014 111.44,39.014 111.467,39.035 111.495,39.055 113.029,40.555 113.03,40.556 113.031,40.557 113.156,40.682 114.858,42.385 116.101,43.628 116.145,43.684 116.164,43.73 116.172,43.75 116.181,43.82 116.181,45.256 116.181,45.603 119.718,45.603
NetCI6_14 on GND (split plane): 115.636,45.256 115.636,43.933 114.473,42.77 112.771,41.068 112.647,40.944 111.193,39.522 97.897,39.522 97.827,39.513 97.761,39.486 97.705,39.443 92.932,34.67 90.91,32.647 82.113,32.647 82.022,32.738 82.022,32.75 82.022,33.905 82.026,33.908 82.054,33.95 82.064,34 82.054,34.05 82.026,34.092 82.022,34.094 82.022,36.887 87.44,42.305 98.327,42.305 98.398,42.314 98.463,42.341 98.52,42.385 100.34,44.205 109.978,44.205 110.048,44.215 110.114,44.242 110.17,44.285 111.488,45.603 115.636,45.603
GND_1 on GND (split plane): 159.248,29.484 159.183,29.464 159.096,29.418 159.02,29.355 158.292,28.627 123.421,28.627 123.421,37.623 147.625,37.623 147.723,37.632 147.817,37.661 147.904,37.707 147.98,37.77 148.48,38.27 148.543,38.346 148.589,38.433 148.618,38.527 148.627,38.625 148.627,42.167 148.708,42.248 153.25,42.248 153.348,42.257 153.442,42.286 153.529,42.332 153.605,42.395 156.656,45.445 156.718,45.522 156.765,45.608 156.794,45.703 156.803,45.801 156.803,78.718 156.98,78.895 157.043,78.971 157.089,79.058 157.118,79.152 157.127,79.25 157.118,79.348 157.089,79.442 157.043,79.529 156.98,79.605 156.904,79.668 156.817,79.714 156.723,79.743 156.625,79.752 148.833,79.752 148.752,79.833 148.752,83.248 159.248,83.248
NetCI5_12 on GND (split plane): 120.603,49.423 120.603,48.833 120.566,48.861 120.5,48.888 120.43,48.897 109.943,48.897 109.872,48.888 109.806,48.861 109.75,48.818 108.455,47.522 48.5,47.522 48.43,47.513 48.364,47.486 48.307,47.443 48.182,47.318 45.932,45.068 45.208,44.343 40.392,44.343 40.392,45.941 40.418,45.975 40.445,46.04 40.455,46.111 40.455,47.695 42.238,49.478 105.826,49.478 105.896,49.487 105.962,49.514 106.019,49.557 107.692,51.231 120.603,51.231
NetCI5_14 on GND (split plane): 120.525,48.145 120.523,48.13 120.523,46.408 120.262,46.147 111.375,46.147 111.305,46.138 111.239,46.111 111.182,46.068 109.865,44.75 100.228,44.75 100.157,44.741 100.092,44.714 100.035,44.67 98.214,42.849 76.934,42.849 75.966,43.818 75.91,43.861 75.844,43.888 75.773,43.897 53,43.897 52.93,43.888 52.864,43.861 52.807,43.818 49.887,40.897 40.392,40.897 40.392,43.798 45.32,43.798 45.391,43.807 45.457,43.835 45.513,43.878 46.318,44.682 48.568,46.932 48.613,46.978 108.568,46.978 108.638,46.987 108.704,47.014 108.76,47.057 110.055,48.353 120.317,48.353
GND on GND (split plane): 159.248,84.252 148.25,84.252 148.152,84.243 148.058,84.214 147.971,84.168 147.895,84.105 147.832,84.029 147.786,83.942 147.757,83.848 147.748,83.75 147.748,79.625 147.757,79.527 147.786,79.433 147.832,79.346 147.895,79.27 148.27,78.895 148.346,78.832 148.433,78.786 148.527,78.757 148.625,78.748 155.798,78.748 155.798,46.009 153.042,43.252 148.5,43.252 148.402,43.243 148.308,43.214 148.221,43.168 148.145,43.105 147.77,42.73 147.707,42.654 147.661,42.567 147.632,42.473 147.623,42.375 147.623,38.833 147.417,38.627 123.335,38.627 123.237,38.618 123.143,38.589 123.056,38.543 122.997,38.495 122.918,38.502 122.82,38.493 122.726,38.464 122.639,38.418 122.563,38.355 122.501,38.279 122.454,38.192 122.426,38.098 122.416,38 122.416,28.207 122.42,28.166 122.416,28.125 122.426,28.027 122.454,27.933 122.501,27.846 122.563,27.77 122.639,27.707 122.726,27.661 122.82,27.632 122.918,27.623 158.5,27.623 158.598,27.632 158.692,27.661 158.779,27.707 158.855,27.77 159.248,28.162 159.248,1.127 0.877,1.127 0.877,92.277 0.877,98.998 159.248,98.998

## Keep-outs
KeepOutLayer:
  the board outline again, w0.254

## Other copper
TopLayer:
  rectangle net "SAIDA  NEGATIVA": 130.875,72.75 139.625,74.375
  rectangle net NetC12_2: 44.125,48.875 47.125,49.875
  rectangle net NetC12_2: 33.625,53.355 46,56.75
  rectangle net GND: 54.876,26 64.5,30.125
  rectangle net GND: 61,31.875 69.375,33.875
  rectangle net GND: 61,29.5 66.625,33.11
  rectangle net GND: 38.75,26 44.125,30.75
  rectangle net GND: 44,26 49.375,31.5
  rectangle net GND: 51.875,26 54.876,32.875
  rectangle net GND: 49.25,26 52.125,33.5
  rectangle net GND: 19.875,26 31.375,40.5
  rectangle net GND: 31.25,26 39.25,42.125
  rectangle net FUSIVEL: 128.75,54.75 137.25,70.875
  rectangle net "SAIDA  POSITIVA": 69.375,89.125 127.5,94.375
  rectangle net "SAIDA  POSITIVA": 127.375,85.625 142.125,93.625
  rectangle net NetC12_2: 47,45.135 50,50.549
  rectangle net NetC12_2: 32.875,49.75 47.5,53.5
  rectangle net NetC12_2: 17.625,45.5 34,56.75
  rectangle net NetC14_1: 83,47.125 88.125,53.355
  rectangle net NetC14_1: 80.375,43.25 88.75,48
  rectangle net NetC14_1: 88.125,43.25 98.125,47
  rectangle net NetC14_1: 88.125,46.875 102.375,53.5
  rectangle net "SAIDA  NEGATIVA": 130.5,74.25 155.875,78.375
  rectangle net "SAIDA  NEGATIVA": 89.5,60.875 110,70.125
  rectangle net "SAIDA  NEGATIVA": 109.875,72.75 131.125,78.875
  rectangle net "SAIDA  NEGATIVA": 71.25,69.788 110,78.875
  rectangle net "SAIDA  POSITIVA": 150,85.5 155.875,89.25
  rectangle net "SAIDA  POSITIVA": 141.875,85.625 150.375,93.25
  rectangle net "SAIDA  POSITIVA": 33.625,93.125 150.25,98.375
  rectangle net "SAIDA  POSITIVA": 12.75,63.875 34.25,98.375
  rectangle net GND: 109.375,17.125 128.875,18.25
  rectangle net GND: 105.125,16.125 109.375,18.25
  rectangle net +15V: 105.125,5.375 111,15.671
  rectangle net +15V: 110.895,8.5 115,16.125
  rectangle net -15V: 130.5,9.125 135,16.625
  rectangle net -15V: 130.5,5.875 139,9.75
  rectangle net +15V: 106.75,5.375 115.02,9
  rectangle net GND: 117,6.125 128.875,17.375
  rectangle net GND: 64,82.375 87.5,87.375
  rectangle net GND: 45,82.375 64.5,91.875
  rectangle net NetC1_1: 51.25,67.75 68.875,79.5
  rectangle net NetC1_1: 51.25,63.625 74,68
  rectangle net "+15V POTENCIA": 141.875,69.625 155.75,73.5
  rectangle net NetC38_1: 103.125,32.625 122.5,37.875
  rectangle net GND_1: 124.375,29.625 134.75,36.375
  rectangle net GND_1: 103.25,26.625 134.875,30.75
  text ".GTL" at 152.6,103.835 h2.29
  text "Placa de potencia mosfet planar revisão b .Pcb" at 20.5,4.5 h1.52
  text "01/2016 A.R.S REV B" at 52.25,4.375 h1.52
BottomLayer:
  rectangle net GND: 66.25,23 74.25,28
  rectangle net "SAIDA  NEGATIVA": 143.75,75.75 155.75,77.5
  rectangle net "SAIDA  NEGATIVA": 71.25,69.972 91,78.75
  rectangle net "SAIDA  POSITIVA": 127.125,85.75 142.375,89.25
  rectangle net +15V: 111.625,15.5 116.75,18.25
  rectangle net NetCQ4_2: 50.5,35.125 54.25,41.071
  rectangle net NetC12_2: 55.25,38 57.375,41.125
  rectangle net NetC12_2: 58.125,36.125 60.373,38
  rectangle net FUSIVEL: 128.625,54.75 132.25,57.125
  rectangle net GND_1: 123.835,33.625 134.875,36.375
  rectangle net GND: 78.375,30.75 80.875,32.875
  rectangle net GND: 68.875,32.75 80.875,37.25
  rectangle net GND: 38.875,32.75 44.375,34.625
  rectangle net GND: 44.125,32.625 49.375,41.375
  rectangle net GND: 1.875,23.875 20.375,36.125
  rectangle net GND: 8.125,5.625 40.875,10.375
  rectangle net GND: 8,2.125 56.375,5.875
  rectangle net GND: 56.125,2.125 71.5,13.625
  rectangle net GND: 39.875,19.375 54.125,20.875
  rectangle net GND: 29.875,17.5 35.375,20.875
  rectangle net GND: 35.25,13.625 40.875,21.125
  rectangle net GND: 29.75,9.875 40.875,13.75
  rectangle net GND: 2,9.875 30.25,20.75
  rectangle net GND: 1.875,20.5 51.75,24.125
  rectangle net GND: 19.875,32 39.125,40.5
  rectangle net GND: 66.375,20.625 77.525,23.25
  rectangle net GND: 51.25,20.625 66.625,23.75
  rectangle net "SAIDA  POSITIVA": 16,90.5 25.25,98.375
  rectangle net NetC12_2: 17.625,53.5 46.5,56.75
  rectangle net NetC14_1: 75.5,24.875 82.125,29.875
  rectangle net NetC14_1: 82,24.875 86.875,43.625
  rectangle net GND: 19.875,23.75 66.625,33.75
  rectangle net NetC1_1: 68.75,52.75 71.75,54.065
  rectangle net +15V: 105.125,5.375 115,13.5
  rectangle net +15V: 105.125,13.375 117,15.75
  rectangle net GND: 118,12.875 128.25,18.625
  rectangle net NetCQ4_2: 50.5,39.375 52.5,40.75
  rectangle net NetC12_2: 55.25,34.875 58.375,38
  rectangle net NetC12_2: 57.375,37.875 61.25,44
  rectangle net GND: 44.75,81.5 87.5,86.5
  rectangle net NetC8_1: 114.75,80.375 124.625,87.375
  rectangle net "SAIDA  NEGATIVA": 105.375,74 131,78.25
  rectangle net "SAIDA  POSITIVA": 141.875,85.75 155.875,89
  rectangle net "SAIDA  POSITIVA": 33.5,88.875 150.25,98.25
  rectangle net "SAIDA  POSITIVA": 25.125,75.625 33.625,98.375
  rectangle net NetC7_2: 7.375,81.875 20.875,87.5
  rectangle net "SAIDA  POSITIVA": 12,64.25 33.75,78.5
  rectangle net "SAIDA  NEGATIVA": 104.875,77.25 109,87.625
  rectangle net "SAIDA  NEGATIVA": 90.625,66.875 105.375,87.5
  rectangle net NetC12_2: 17.625,45.625 34,49.25
  rectangle net NetC12_2: 17.625,48.87 49.75,53.5
  rectangle net NetCQ3_2: 70.625,38.5 77.5,42.375
  rectangle net NetC14_1: 81.25,47.625 105.5,53.25
  rectangle net NetC14_1: 68.625,43.25 103.875,47.625
  rectangle net NetC12_2: 46.875,44.75 50.625,48.362
  rectangle net NetC12_2: 46.875,48.25 59.375,51.125
  rectangle net NetC12_2: 50.5,43.75 62,48.362
  rectangle net GND: 62.875,31.875 65.125,33.875
  rectangle net GND: 65,31.875 69.125,35.75
  rectangle net GND: 64.5,35.75 69.125,37.25
  rectangle net GND: 61.875,31.875 62.875,37.25
  rectangle net NetC14_1: 63.75,43.375 65.5,47.875
  rectangle net NetC14_1: 65.5,38 69,50
  rectangle net NetC14_1: 64.75,49.875 68.875,51.375
  rectangle net NetC14_1: 63.375,38 65.875,43.375
  rectangle net NetC12_2: 60.875,37.875 62.875,44.375
  rectangle net NetC12_2: 62,44.25 63.125,51.6
  rectangle net NetC1_1: 68.5,54 75.5,57
  rectangle net NetC1_1: 51.125,58.625 57.5,74
  rectangle net NetC1_1: 57.5,52 68.875,74
  rectangle net NetD1_2: 87.75,60.25 110,64.625
  rectangle net NetD1_2: 72.375,57.75 113.125,61
  rectangle net NetD1_2: 69.5,57.75 72.375,65.5
  rectangle net NetD1_2: 109.875,63.25 115.625,68.125
  rectangle net NetD1_2: 110,60.375 119,63.29
  rectangle net NetD1_2: 109.875,68 119.375,72.125
  rectangle net GND_MASSA: 0.75,0.25 6.125,7.875
  rectangle net GND_MASSA: 6,0.25 159.875,1.625
  rectangle net GND_MASSA: 154.875,1.375 159.875,8.25
  rectangle net GND_MASSA: 1.625,91.5 6.25,99.625
  rectangle net GND_MASSA: 6,98.875 160,99.625
  rectangle net GND_MASSA: 154.75,92.225 160,99.375
  rectangle net "+15V POTENCIA": 132.875,74.25 142,82.5
  rectangle net "+15V POTENCIA": 139.5,69.625 155.875,74.375
  rectangle net NetC38_1: 138.875,52.225 142.75,55.1
  rectangle net NetC3_1: 139.375,56.6 142.375,59.875
  rectangle net FUSIVEL: 132.25,54.125 137.875,72.625
  rectangle net FUSIVEL: 128.625,56.972 132.5,72.625
  text "P/N Placa de Potencia mosfet planar REV B" at 49.375,105 h1.91
  text ".GBL" at 152.6,103.835 h2.29
  text "01/2016 A.R.S REV B" at 4.085,75.5 h1.52 r270
  text "Placa de potencia mosfet planar revisão b .Pcb" at 1.5,60.5 h1.52 r270
GND (plane layer: these items are gaps in the copper):
  lines w0.254: 81.869,33.935 81.934,34 ; 123.085,37.875 123.335,38.125
  lines w0.54: 81.75,32.75 81.75,29.125 82,28.875 94.683,28.875 101.308,35.5 107.625,35.5 109.682,35.5 114.75,35.5 115.875,36.625 117.348,38.098 119.875,40.625 119.875,42.055 119.875,45.375 120.795,46.295 120.795,48.13 ; 87.289,42.539 81.75,37 81.75,32.625 82,32.375 91.022,32.375 93.125,34.478 97.897,39.25 102.923,39.25 107.847,39.25 111.304,39.25 112.839,40.75 112.964,40.875 114.666,42.577 115.909,43.82 115.909,45.256 115.909,45.75 ; 119,48.625 120.43,48.625 120.875,48.18 120.875,49.423 120.875,51.503 118.534,51.503 116.397,51.503 114.269,51.503 112.847,51.503 110.003,51.503 107.579,51.503 105.826,49.75 42.125,49.75 40.182,47.807 40.182,46.111 40.12,46.111 40.12,44.07 ; 119.375,48.625 118.75,48.625 109.943,48.625 108.568,47.25 48.5,47.25 48.375,47.125 46.125,44.875 45.32,44.07 40.12,44.07 ; 120.5,45.875 111.375,45.875 109.978,44.478 100.228,44.478 98.327,42.577 89.96,42.577 76.821,42.577 75.773,43.625 68.156,43.625 53,43.625 50,40.625 40.12,40.625 40.12,44.07
  lines w1: 122.918,28.125 158.5,28.125 159.375,29 ; 122.918,28.207 122.918,38 ; 123.335,38.125 147.625,38.125 148.125,38.625 148.125,42.375 148.5,42.75 153.25,42.75 156.301,45.801 156.301,78.926 156.625,79.25 148.625,79.25 148.25,79.625 148.25,83.75 159.625,83.75 ; 159.625,99.5 0.5,99.5 0.375,99.375 0.375,92.277 0.375,0.625 159.75,0.625 ; 159.75,0.5 159.75,99.5
Power (plane layer: these items are gaps in the copper):
  lines w0.254: 1.875,65.75 18.125,65.75 ; 2.125,64 2.25,64.125 3,64.125 ; 42.875,69.183 46.433,65.625 ; 42.875,73.875 43.625,74.625 ; 69.371,51.254 69.5,51.125 ; 76.125,71.875 77.062,70.938 ; 113.5,48 113.625,47.875 ; 113.5,56 113.625,56.125 ; 117.95,24.25 117.975,24.225 ; 128.5,56.125 128.625,56 ; 128.625,54.25 128.75,54.125 ; 134.5,65.584 134.666,65.75 ; 135.875,0.375 136,0.5 ; 152.375,91.253 152.628,91 ; 159.325,83.7 159.375,83.75 ; 159.625,73.5 159.75,73.625 159.75,79.375
  lines w1: 18,64.125 18.125,64 18.125,46.238 37.325,46.238 40.992,49.906 ; 18.25,59.098 18.25,64.25 ; 39.375,65.25 39.375,65.625 ; 42.875,69.125 43.25,69.125 43.75,68.625 43.75,67.875 46.625,65 ; 46.5,51.125 46.75,51.125 ; 61.063,15.937 61,16 ; 79.188,18.687 84.125,13.75 90.75,7.125 97.625,7.125 99.848,4.902 114.214,4.902 114.313,5 120.625,5 120.625,17.5 123.25,20.125 127.875,20.125 128.625,20.875 128.625,56 ; 79.5,18.625 68.75,18.625 68.75,17.125 67.625,16 61,16 ; 87.5,60.375 87.5,48.875 88.125,48.875 85.875,51.125 42.212,51.125 38.185,47.098 38.185,46.19 40.125,44.25 51.125,44.25 50.938,44.438 50.5,44 69.73,44 79.625,44 81.25,42.375 81.25,26.5 90.5,17.25 109.375,17.25 109.375,24.125 ; 88.189,48.939 95.196,41.933 95.375,41.933 ; 89.25,47.875 113.625,47.875 ; 95.125,41.933 105.567,41.933 111.125,36.375 117.5,36.375 117.975,35.9 117.975,24.225 ; 109.375,24.25 117.95,24.25 ; 113.5,48 113.5,56 ; 113.625,56.125 128.5,56.125 ; 113.625,56.668 113.625,70.125 ; 113.723,70 113.723,73.5 159.625,73.5 ; 128.625,21.375 139.25,21.375 139.25,0.5 136,0.5 ; 128.75,48 159.75,48 ; 128.75,54.125 132,54.125 132,63.459 ; 132.166,63.625 159.625,63.625 ; 135.875,0.375 43.105,0.375 43.105,2.27 43,2.375 43,16 61,16 ; 159.75,0.5 0.25,0.5 0.25,99.5 159.75,99.5 ; 159.75,0.625 159.75,99.625
  lines w2: 0.5,64.125 2.5,64.125 ; 0.625,1.75 11,1.75 ; 10.75,1.75 42.75,1.75 ; 35,46.498 35,63.375 ; 39.375,65.625 42.875,69.125 ; 69.371,51.254 74,51.254 74,67.401 69.371,72.03 69.371,78.955 ; 73.75,60.625 113.305,60.625 ; 129,81.5 129.625,80.875 131.875,80.875 133,79.75 159.375,79.75 ; 132.166,63.625 132.166,73.125
  lines w3: 1.875,65.75 1.875,98.875 152.375,98.875 152.375,96.5 152.375,91.253 ; 3,64.125 18,64.125 ; 18.25,64.25 38.375,64.25 39.375,65.25 ; 42.875,69.183 42.875,73.875 ; 43.625,74.625 65.125,74.625 72,81.5 76.125,81.5 78.25,81.5 129,81.5 ; 152.628,91 158.834,91

## Silkscreen, mask and mechanical layers (free items; w line width, h text height)
TopOverlay:
  circle w0.254: c157.45,5.537 r2.857
  circle w0.254: c157.45,94.276 r2.857
  circle w0.254: c3.781,5.537 r2.857
  circle w0.254: c3.781,94.437 r2.857
  rectangle: 7.362,117.627 26.412,122.707
  rectangle: 7.362,110.261 26.412,115.341
  lines w0.254: 35.597,120.242 ccw(c36.826,121.247) 35.6,120.239
  text "C" at 38.223,120.294 h1.52
  text "2016 Laboratorio Naional de Luz Sincrotron" at 42.033,120.294 h1.91
  text "S/N" at 1.012,119.088 h1.91
  text "Placa de Potencia mosfet planar revisão B 01/2016" at 38.223,115.849 h1.91
  text "ASSY NO.: XXXXXX" at 38.223,112.039 h1.91
  text "A" at 11.25,111.875 h1.52
  text "REV" at 1.012,111.531 h1.91
  text ".GTO" at 152.6,103.835 h2.29
  text "P1" at 139.875,86.25 h1.52
  text "+" at 42.375,44.875 h1.52
  text "+" at 71.75,28.25 h1.52
  text "+" at 92,20.875 h1.52
  text "Placa de potencia mosfet planar revisão b.Pcb" at 19.25,0.625 h1.52
  text "01/2016A.R.S REV B" at 90.375,0.375 h1.52
BottomOverlay:
  text "+" at 125,12.375 h1.52
  text "+" at 115,12 h1.52
TopPaste:
  text ".GTP" at 152.6,103.835 h2.29
BottomPaste:
  text ".GBP" at 152.6,103.835 h2.29
TopSolder:
  text ".GTS" at 152.6,103.835 h2.29
BottomSolder:
  text ".GBS" at 152.6,103.835 h2.29
Mechanical1:
  lines w0: 154.788,10.5 154.879,10.591
  lines w0.254: 0,2.375 0.125,2.5 160,2.5 ; 0,97.5 160.125,97.5 ; 144.719,10.531 144.75,10.5
Mechanical2:
  lines w0.254: 149.875,90 149.975,89.9 ; 0.25,0 0.25,100 160.25,100 160.25,0 0.25,0
Mechanical4:
  text "PLACA DE POTENCIA mosfet REV B" at 104.34,108.661 h2.29
  text "01/16A.R.S" at 104.34,103.835 h2.29
Mechanical9:
  lines w0.508: -0.15,0.125 -0.15,100 ; 0.225,0.025 160.22,0.025 160.22,100.025 0.225,100.025
DrillDrawing:
  text ".LEGEND" at 173.326,4.826 h2.29
  text "Drilling Details." at 173.326,1.016 h2.29

## Dimensions
3.781,-0.483 to -0.15,0.125 on Mechanical4
-0.283,5.537 to -0.15,0.125 on Mechanical4

## Text inside footprints (layer, text, board x,y; h text height)
CI13: TopOverlay "Vin(+)" at 119.523,32.933 h1.52 r270; TopOverlay "Vin(-)" at 124.866,32.933 h1.52 r270; TopOverlay "ON/OFF" at 132.538,33.481 h1.52 r270; TopOverlay "Vout(+)" at 112.399,21.014 h1.52 r270; TopOverlay "Vout(-)" at 132.812,20.603 h1.52 r270; TopOverlay "Comm" at 122.811,20.466 h1.52 r270
D3: TopOverlay "G" at 1.349,58.744 h1 r90; TopOverlay "R" at 3.149,58.744 h1 r90; Mechanical14 "G" at 1.349,58.744 h1 r90; Mechanical14 "R" at 3.149,58.744 h1 r90
D8: TopOverlay "G" at 1.349,52.369 h1 r90; TopOverlay "R" at 3.149,52.369 h1 r90; Mechanical14 "G" at 1.349,52.369 h1 r90; Mechanical14 "R" at 3.149,52.369 h1 r90
P1: TopOverlay "22" at 142.25,35.5 h1.5; TopOverlay "12" at 142.25,61 h1.5; TopOverlay "32" at 142.375,10.125 h1.5; TopOverlay "E" at 144.25,88 h1.5; TopOverlay "C" at 149.375,88.125 h1.5; TopOverlay "A" at 154.375,88.125 h1.5; TopOverlay "2" at 143,86.375 h1.5